# Allegro board arena_12-12_v5.brd (continued)
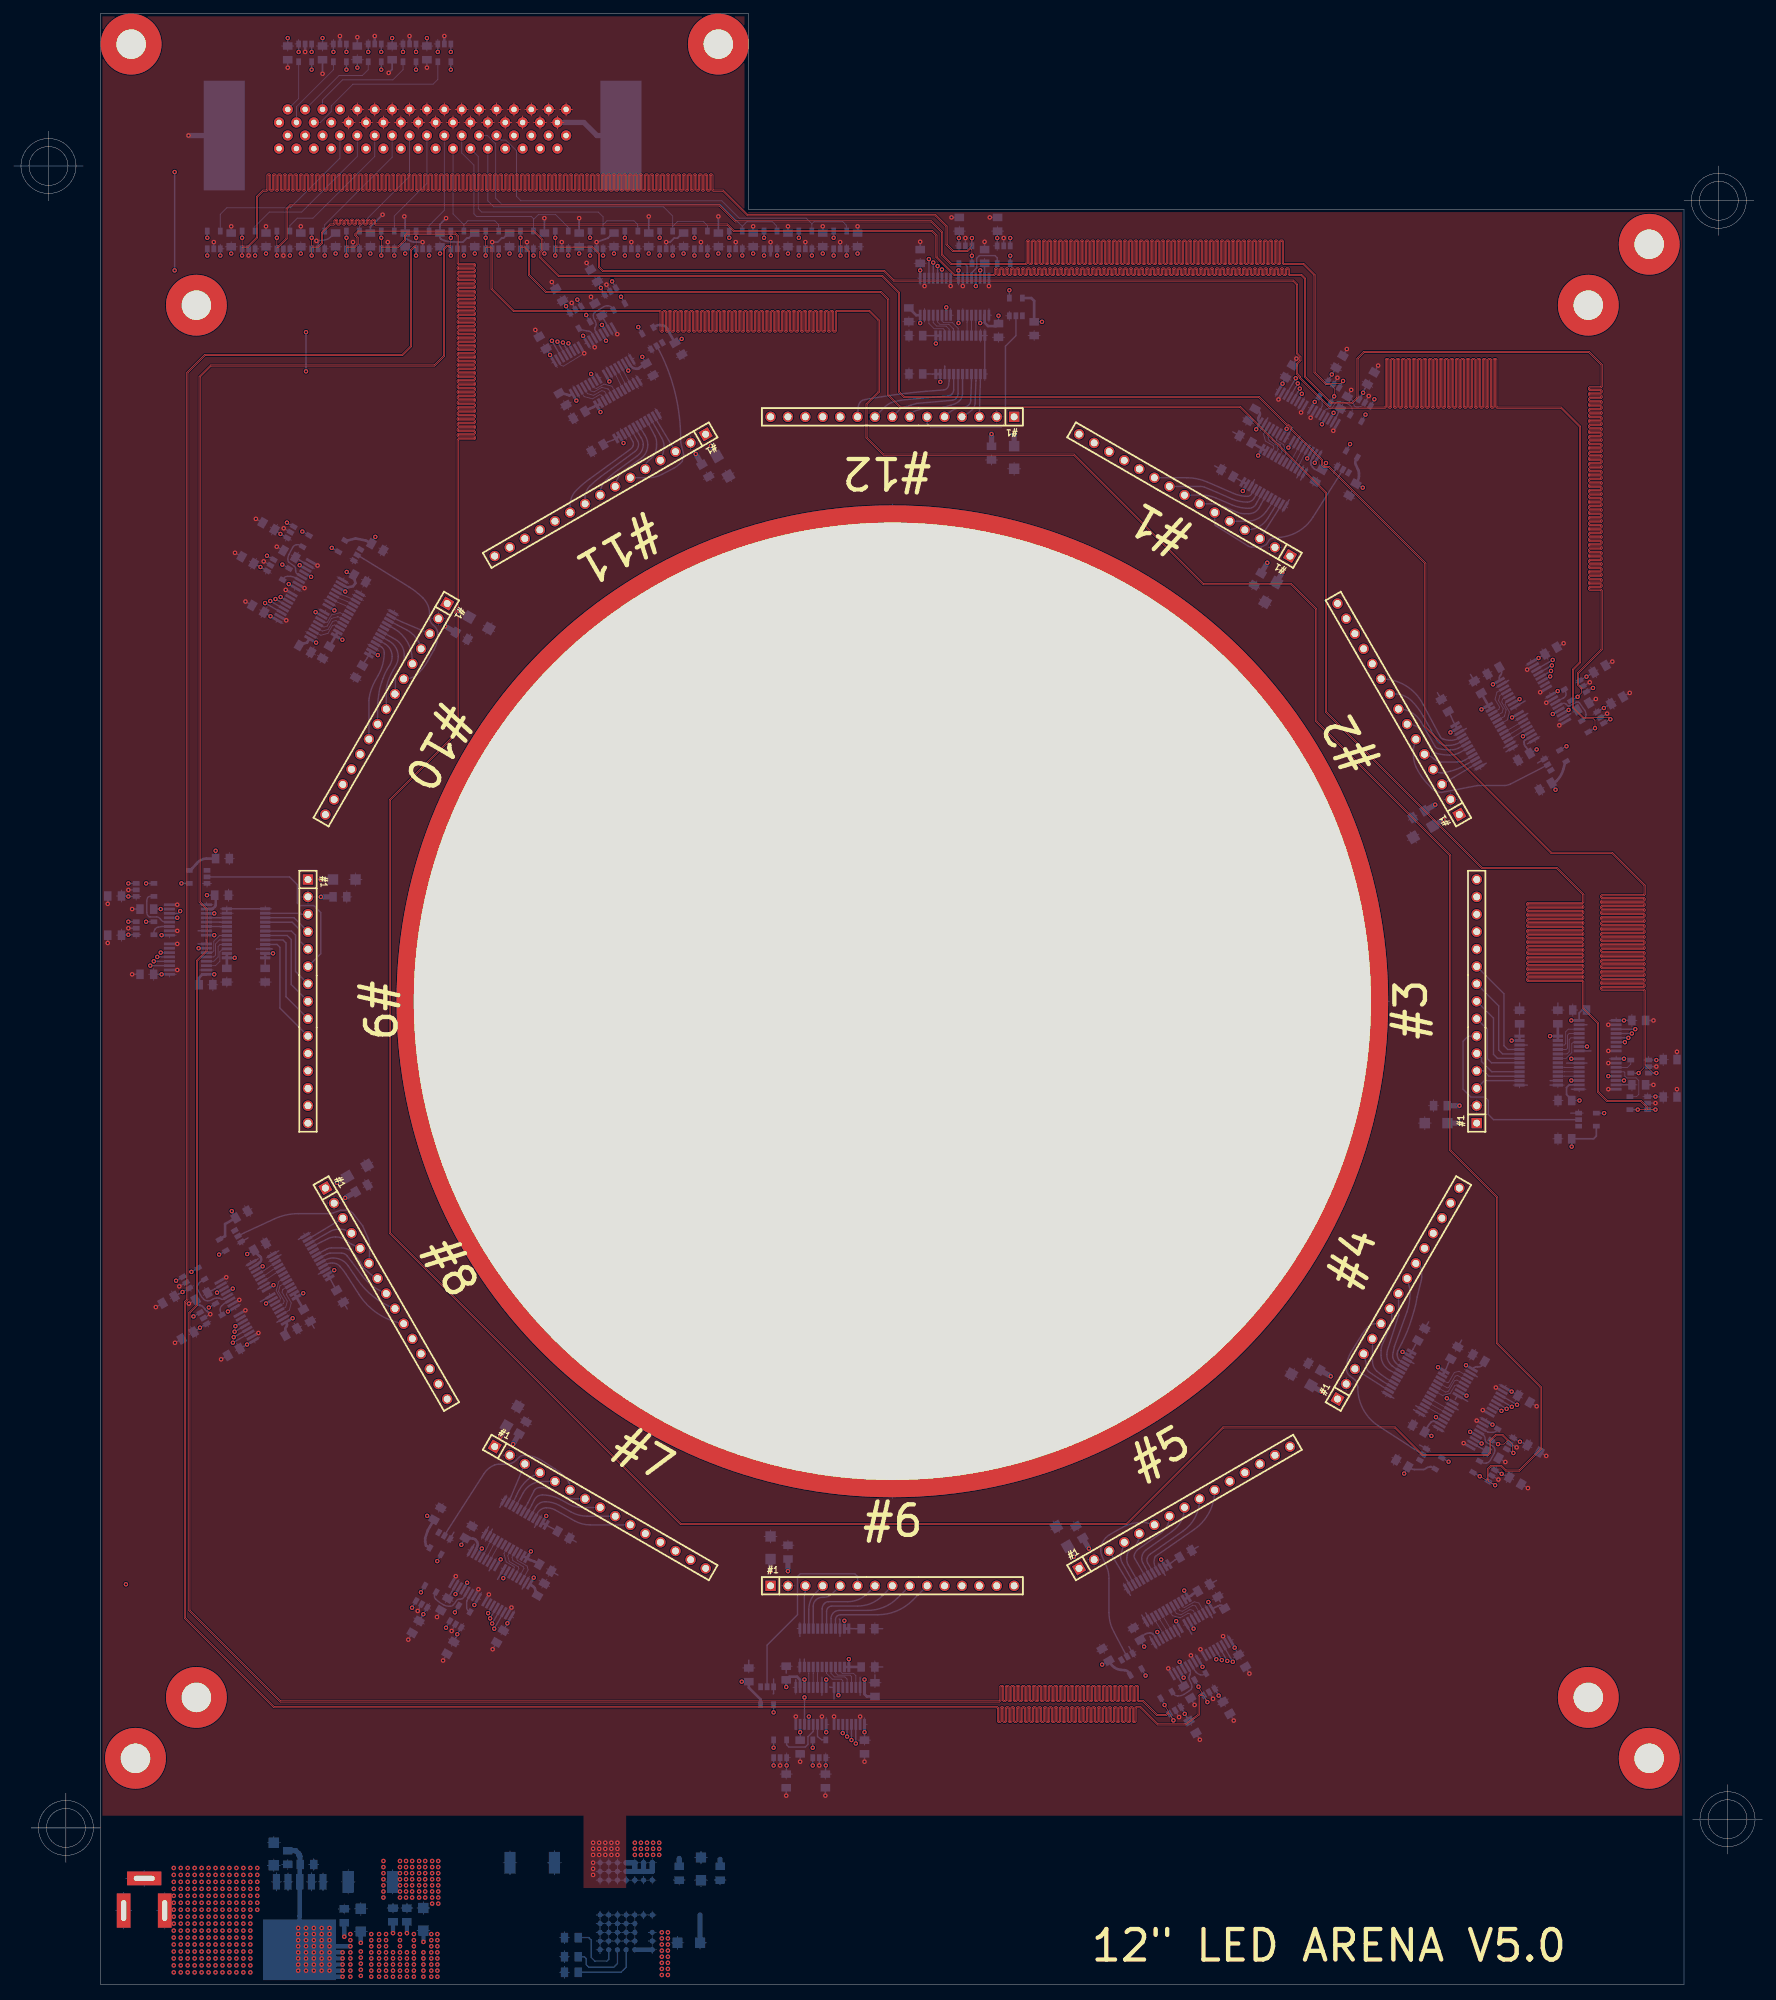
[diagram p0: board, top side]
## Routing (per net, layer and track width the routed paths; a pad name or vN(x,y) marks a point on that pad's centre or on a via; arc(x,y) is an arc through that point) (continued)
  LAYER 2 w0.381: v1(202.75,92.34) 200.9,93.41 ; v1(209.75,182.76) 207.9,181.69 ; v1(179.44,217.99) 178.07,216.35 ; v1(218.68,137.78) 216.55,137.78 ; v1(46.79,104.26) 48.64,105.33 ; v1(135.27,233.92) 135.27,231.79 ; 121.29,55.24 121.27,55.23 v1(121.27,53.1) ; v1(89.02,224.99) 90.09,223.14 ; v1(167.52,62.03) 166.45,63.88 ; v1(37.86,150.51) 39.99,150.51 ; v1(53.16,194.04) 55,192.97 ; v1(77.74,68.4) 78.81,70.24
  BOTTOM w0.127: J27.1 23.23,10.79 ; J27.1 22.05,13.48 ; J27.1 20.87,10.79 ; J27.1 22.05,8.11 ; 37.97,17.4 38.92,17.4 ; 37.97,17.4 37.03,17.4 ; 37.97,17.4 37.97,16.46 ; 37.97,17.4 37.97,18.34 ; 93.22,5.78 U130.K1 ; U130.K1 93.22,6.92 ; U130.K1 93.79,6.35 ; U130.K1 92.65,6.35 ; 39.12,17.54 C209.1 ; C209.1 40.01,16.81 ; C209.1 40.01,18.27 ; U101.1 39.07,14.99 ; U101.1 38.35,16.31 ; U101.1 38.35,13.66 ; U101.1 37.64,14.99 ; C39.1 97.84,6.1 ; C39.1 96.9,5.15 ; C39.1 96.9,7.04 ; C39.1 95.96,6.1 ; 93.22,4.51 U130.L1 ; U130.L1 93.22,5.65 ; U130.L1 93.79,5.08 ; U130.J1 93.79,7.62 ; U130.J1 93.22,7.05 ; U130.J1 92.65,7.62 ; U101.2 40.06,16.31 ; U101.2 40.77,14.99 ; U101.2 39.34,14.99 ; U101.2 40.06,13.66
  BOTTOM w0.203: U46.24 219.82,139.43 219.84,139.44 C138.1 ; 88.45,225.98 v1(89.02,224.99) ; U43.23 v1(135.27,233.92) ; 180.01,218.98 v1(179.44,217.99) ; U40.24 36.72,149.41 36.7,149.1 C136.1 ; U43.24 134.17,235.06 133.48,235.08 C150.1 ; U48.24 169.04,61.59 169.53,61.98 C140.1 ; U40.23 v1(37.86,150.51) ; U44.24 C144.1 ; C130.1 122.93,51.94 122.37,51.96 U37.24 ; 77.73,67.08 78.13,66.86 78.72,66.55 C128.1 ; 45.8,103.69 v1(46.79,104.26) ; C134.1 46.74,102 46.35,102.74 U39.24 ; U42.24 87.5,225.43 86.76,225.17 C142.1 ; 210.74,183.33 v1(209.75,182.76) ; C148.1 51.31,193.18 51.62,193.65 51.84,194.05 ; 203.74,91.77 v1(202.75,92.34) ; U37.23 v1(121.27,53.1) ; 168.09,61.04 v1(167.52,62.03) ; C132.1 204.6,93.33 204.29,92.73 U47.24 ; C146.1 209.8,185.15 210.19,184.28 U45.24 ; U38.23 v1(77.74,68.4) ; U46.23 v1(218.68,137.78) ; U41.23 v1(53.16,194.04)
  BOTTOM w0.381: 203.74,91.77 U47.24 ; U38.23 77.73,67.08 ; U40.24 U40.23 ; U37.23 U37.24 ; U42.24 88.45,225.98 ; 45.8,103.69 U39.24 ; 210.74,183.33 U45.24 ; 180.01,218.98 U44.24 ; 51.84,194.05 U41.23 ; U43.24 U43.23 ; 168.09,61.04 U48.24 ; U46.23 U46.24
  BOTTOM w0.635: U130.L3 U130.L1
  BOTTOM w0.762: C64.1 v1(207.51,172.2) ; C65.1 v1(110.49,60.32) ; C48.1 v1(156.96,63.63) ; 71.95,81.5 v1(71.06,79.96) ; C54.1 v1(142.75,226.3) ; 48.73,117.92 v1(47.2,117.03) ; C60.1 v1(48.39,114.82) ; C46.1 v1(44.85,158.75) ; C66.1 v1(211.06,128.27) ; 102.68,223.05 v1(101.79,224.58) ; C63.1 v1(190.93,86.55) ; C58.1 v1(72.91,78.87) ; 153.86,63.97 v1(154.75,62.44) ; C57.1 v1(185.23,206.17) ; C45.1 v1(44.83,161.29) ; 66.51,199.58 v1(64.98,200.47) ; C56.1 v1(63,198.24) ; C55.1 v1(146.05,226.31) ; C49.1 v1(211.07,125.73) ; C53.1 v1(208.71,169.99) ; C6.1 v1(99.58,223.39) ; C50.1 v1(192.27,88.78) ; C52.1 v1(183,207.51) ; C62.1 v1(113.03,60.34)
  vias: v1(23.37,17.02) v1(23.37,16) v1(23.37,14.99) v1(23.37,13.97) v1(23.37,12.95) v1(23.37,11.94) v1(23.37,10.92) v1(23.37,9.91) v1(23.37,8.89) v1(23.37,7.87) v1(23.37,6.86) v1(23.37,5.84) v1(23.37,4.83) v1(23.37,3.81) v1(23.37,2.79) v1(23.37,1.78) v1(24.38,17.02) v1(24.38,16) v1(24.38,14.99) v1(24.38,13.97) v1(24.38,12.95) v1(24.38,11.94) v1(24.38,10.92) v1(24.38,9.91) v1(24.38,8.89) v1(24.38,7.87) v1(24.38,6.86) v1(24.38,5.84) v1(24.38,4.83) v1(24.38,3.81) v1(24.38,2.79) v1(24.38,1.78) v1(25.4,17.02) v1(25.4,16) v1(25.4,14.99) v1(25.4,13.97) v1(25.4,12.95) v1(25.4,11.94) v1(25.4,10.92) v1(25.4,9.91) v1(25.4,8.89) v1(25.4,7.87) v1(25.4,6.86) v1(25.4,5.84) v1(25.4,4.83) v1(25.4,3.81) v1(25.4,2.79) v1(25.4,1.78) v1(26.42,17.02) v1(26.42,16) v1(26.42,14.99) v1(26.42,13.97) v1(26.42,12.95) v1(26.42,11.94) v1(26.42,10.92) v1(26.42,9.91) v1(26.42,8.89) v1(26.42,7.87) v1(26.42,6.86) v1(26.42,5.84) v1(26.42,4.83) v1(26.42,3.81) v1(26.42,2.79) v1(26.42,1.78) v1(27.43,17.02) v1(27.43,16) v1(27.43,14.99) v1(27.43,13.97) v1(27.43,12.95) v1(27.43,11.94) v1(27.43,10.92) v1(27.43,9.91) v1(27.43,8.89) v1(27.43,7.87) v1(27.43,6.86) v1(27.43,5.84) v1(27.43,4.83) v1(27.43,3.81) v1(27.43,2.79) v1(27.43,1.78) v1(28.45,17.02) v1(28.45,16) v1(28.45,14.99) v1(28.45,13.97) v1(28.45,12.95) v1(28.45,11.94) v1(28.45,10.92) v1(28.45,9.91) v1(28.45,8.89) v1(28.45,7.87) v1(28.45,6.86) v1(28.45,5.84) v1(28.45,4.83) v1(28.45,3.81) v1(28.45,2.79) v1(28.45,1.78) v1(29.46,17.02) v1(29.46,16) v1(29.46,14.99) v1(29.46,13.97) v1(29.46,12.95) v1(29.46,11.94) v1(29.46,10.92) v1(29.46,9.91) v1(29.46,8.89) v1(29.46,7.87) v1(29.46,6.86) v1(29.46,5.84) v1(29.46,4.83) v1(29.46,3.81) v1(29.46,2.79) v1(29.46,1.78) v1(30.48,17.02) v1(30.48,16) v1(30.48,14.99) v1(30.48,13.97) v1(30.48,12.95) v1(30.48,11.94) v1(30.48,10.92) v1(30.48,9.91) v1(30.48,8.89) v1(30.48,7.87) v1(30.48,6.86) v1(30.48,5.84) v1(30.48,4.83) v1(30.48,3.81) v1(30.48,2.79) v1(30.48,1.78) v1(31.5,17.02) v1(31.5,16) v1(31.5,14.99) v1(31.5,13.97) v1(31.5,12.95) v1(31.5,11.94) v1(31.5,10.92) v1(31.5,9.91) v1(31.5,8.89) v1(31.5,7.87) v1(31.5,6.86) v1(31.5,5.84) v1(31.5,4.83) v1(31.5,3.81) v1(31.5,2.79) v1(31.5,1.78) v1(32.51,17.02) v1(32.51,16) v1(32.51,14.99) v1(32.51,13.97) v1(32.51,12.95) v1(32.51,11.94) v1(32.51,10.92) v1(32.51,9.91) v1(32.51,8.89) v1(32.51,7.87) v1(32.51,6.86) v1(32.51,5.84) v1(32.51,4.83) v1(32.51,3.81) v1(32.51,2.79) v1(32.51,1.78) v1(33.53,17.02) v1(33.53,16) v1(33.53,14.99) v1(33.53,13.97) v1(33.53,12.95) v1(33.53,11.94) v1(33.53,10.92) v1(33.53,9.91) v1(33.53,8.89) v1(33.53,7.87) v1(33.53,6.86) v1(33.53,5.84) v1(33.53,4.83) v1(33.53,3.81) v1(33.53,2.79) v1(33.53,1.78) v1(34.54,17.02) v1(34.54,16) v1(34.54,14.99) v1(34.54,13.97) v1(34.54,12.95) v1(34.54,11.94) v1(34.54,10.92) v1(34.54,9.91) v1(34.54,8.89) v1(34.54,7.87) v1(34.54,6.86) v1(34.54,5.84) v1(34.54,4.83) v1(34.54,3.81) v1(34.54,2.79) v1(34.54,1.78) v1(35.56,17.02) v1(35.56,16) v1(35.56,14.99) v1(35.56,13.97) v1(35.56,12.95) v1(35.56,11.94) v1(35.56,10.92) v1(94.62,7.62) v1(94.62,6.73) v1(94.62,5.84) v1(94.62,4.95) v1(94.62,4.06) v1(94.62,3.17) v1(94.62,2.29) v1(94.62,1.4) v1(95.5,7.62) v1(95.5,6.73) v1(95.5,5.84) v1(95.5,4.95) v1(95.5,4.06) v1(95.5,3.17) v1(95.5,2.29) v1(95.5,1.4)
GND_3V: length 1053.4
  BOTTOM w0.127: J10.2 47.71,114.05 ; J10.2 46.77,115 ; J10.2 46.77,113.11 ; J10.2 45.83,114.05 ; U130.J4 89.41,8.19 ; U130.J4 89.41,7.05 ; U130.J4 89.98,7.62 ; U130.J4 88.84,7.62 ; C131.2 175.04,57.65 ; C131.2 175.23,58.78 ; C131.2 174.16,59.18 ; C131.2 173.97,58.05 ; 92.65,10.16 U130.G1 ; U130.G1 93.22,10.73 ; U130.G1 93.22,9.59 ; U130.G1 93.79,10.16 ; 201.19,76.94 C125.2 ; C125.2 202.27,77.34 ; C125.2 201.38,75.81 ; C125.2 202.46,76.21 ; 125.71,51.06 C130.2 ; C130.2 124.98,51.94 ; C130.2 125.71,52.82 ; 70.46,62.23 69.48,60.53 ; J8.2 157.73,62.95 ; J8.2 156.78,62.01 ; J8.2 158.67,62.01 ; J8.2 157.73,61.07 ; 213.58,127.33 J9.2 ; J9.2 212.64,128.27 ; J9.2 213.58,129.21 ; J9.2 214.52,128.27 ; 207.65,187.12 C146.2 ; C146.2 208.05,188.19 ; C146.2 208.78,186.92 ; C146.2 209.18,188 ; C55.2 146.99,221.23 ; C55.2 146.05,222.18 ; C55.2 145.11,221.23 ; C55.2 146.05,220.29 ; 36.9,106.06 37.7,106.52 ; 37.7,106.52 37.5,106.88 ; 37.7,106.52 38.51,106.99 ; 28.34,145.92 C94.2 ; C94.2 29.07,145.04 ; C94.2 29.07,146.8 ; C94.2 29.8,145.92 ; 218.97,178.33 C102.2 ; C102.2 220.24,179.06 ; C102.2 219.17,179.46 ; C102.2 220.05,177.93 ; C62.2 113.91,64.12 ; C62.2 113.03,64.85 ; C62.2 113.03,63.39 ; C62.2 112.15,64.12 ; C118.2 62.72,70.21 ; C118.2 63.11,69.13 ; C118.2 61.98,68.94 ; C118.2 61.58,70.02 ; C100.2 190.76,218.91 ; C100.2 189.24,219.79 ; C100.2 190.37,219.98 ; C100.2 189.63,218.72 ; 49.41,207.37 49.67,207.83 ; 49.67,207.83 49.09,208.16 ; 49.67,207.83 50.25,207.49 ; 37.22,105.49 38.83,106.42 ; 166.29,52.46 165.36,54.07 ; 80.41,3.18 C212.1 ; C212.1 79.67,4.06 ; C212.1 80.41,4.95 ; C212.1 81.14,4.06 ; 60.76,7.87 C207.2 58.87,7.87 ; C74.2 131.56,242.71 ; C74.2 130.68,243.44 ; C74.2 129.8,242.71 ; C74.2 130.68,241.98 ; 180.74,203.61 C52.2 ; C52.2 181.87,203.8 ; C52.2 180.35,204.68 ; C52.2 181.48,204.87 ; 185.71,89.56 C63.2 ; C63.2 186.06,88.28 ; C63.2 187,89.91 ; C63.2 187.35,88.62 ; C112.2 77.83,59.16 ; C112.2 76.7,58.97 ; C112.2 78.23,58.08 ; C112.2 77.1,57.89 ; C139.2 211.18,93.7 ; C139.2 211.58,92.63 ; C139.2 210.45,92.44 ; C139.2 210.05,93.51 ; 166.09,49.63 166.42,49.82 ; 166.42,49.82 165.93,50.67 ; 166.42,49.82 166.91,48.98 ; 53.3,194.71 51.69,195.64 ; 219.2,184.47 220.9,185.45 ; U42.13 94.43,229.43 ; U42.13 93.62,230.04 ; U42.13 94.55,228.42 ; 154.31,66.47 C48.2 ; C48.2 155.44,66.27 ; C48.2 155.84,67.35 ; C48.2 154.71,67.54 ; 218.96,142.22 C138.2 ; C138.2 219.84,141.49 ; C138.2 220.72,142.22 ; C211.1 81.14,1.78 ; C211.1 79.67,1.78 ; C211.1 80.41,0.9 ; C211.1 80.41,2.66 ; 141.12,239.74 U43.11 141.12,241.59 ; C98.2 126.61,44.05 ; C98.2 125.73,43.32 ; C98.2 124.85,44.05 ; 40.26,97.72 38.56,96.74 ; C149.2 78.91,61.1 ; C149.2 79.1,59.97 ; C149.2 77.83,60.7 ; C149.2 78.02,59.57 ; 30.62,159 C96.2 ; C96.2 32.09,159 ; C96.2 31.35,159.89 ; C96.2 31.35,158.12 ; 179.46,228.68 C68.2 ; C68.2 179.85,227.61 ; C68.2 180.99,227.8 ; C68.2 180.59,228.87 ; 49.73,7.75 C204.2 51.62,7.75 ; 81.63,233.34 82.61,231.65 ; 46.99,201.2 45.29,202.18 ; 138.56,242.67 138.56,244.63 ; U130.K3 90.68,6.92 ; U130.K3 90.68,5.78 ; U130.K3 90.11,6.35 ; 208.83,172.97 J3.2 ; J3.2 209.77,172.02 ; J3.2 210.71,172.97 ; J3.2 209.77,173.91 ; 229.51,130.68 U22.9 228.53,130.3 ; 42.97,193.68 C82.2 ; C82.2 42.78,194.81 ; C82.2 44.04,194.08 ; C82.2 43.85,195.21 ; C136.2 36.7,147.05 ; C136.2 37.58,146.32 ; C136.2 35.82,146.32 ; C136.2 36.7,145.59 ; C78.2 42.01,96.12 ; C78.2 40.94,96.51 ; C78.2 41.82,94.99 ; C78.2 40.75,95.38 ; 86.87,7.05 U130.J6 ; U130.J6 86.3,7.62 ; U130.J6 86.87,8.19 ; U130.J6 87.44,7.62 ; 80.41,5.98 R63.1 ; R63.1 79.67,6.86 ; R63.1 80.41,7.74 ; R63.1 81.14,6.86 ; 224.54,142.22 C127.2 ; C127.2 226.31,142.22 ; C127.2 225.43,141.49 ; C46.2 49.36,158.75 ; C46.2 48.63,157.87 ; C46.2 47.89,158.75 ; C46.2 48.63,159.63 ; 47.76,100.22 C134.2 ; C134.2 47.36,99.15 ; C134.2 48.49,98.96 ; C134.2 48.89,100.03 ; 63.36,64.45 U26.3 ; U26.3 64.04,65.62 ; U26.3 64.16,64.77 ; 28.22,160.2 U28.3 ; U28.3 28.9,160.72 ; U28.3 27.54,160.72 ; 46.28,104.72 U39.22 44.67,103.79 ; 19.05,14.31 J27.3 ; J27.3 16.37,15.49 ; J27.3 19.05,16.68 ; 55.7,143.51 M9.1 ; M9.1 200.84,143.51 ; M9.1 128.27,216.08 ; M9.1 128.27,70.94 ; 217.71,180.6 219.32,181.53 ; C66.2 207.28,129.15 ; C66.2 206.55,128.27 ; C66.2 208.01,128.27 ; C66.2 207.28,127.39 ; 182.22,200.95 C57.2 ; C57.2 183.5,201.3 ; C57.2 183.16,202.59 ; C57.2 181.87,202.24 ; 222.15,174.01 C115.2 ; C115.2 223.22,173.61 ; C115.2 222.34,175.14 ; C115.2 223.41,174.74 ; U130.K4 89.98,6.35 ; U130.K4 89.41,5.78 ; U130.K4 88.84,6.35 ; U130.K4 89.41,6.92 ; 66.18,62.44 66.67,63.29 ; 66.67,63.29 66.33,63.48 ; 66.67,63.29 67.16,64.13 ; 132.97,242.67 U7.15 132.97,244.63 ; 210.74,83.95 209.04,84.94 ; C145.2 82.12,227.84 ; C145.2 81.05,228.24 ; C145.2 81.24,229.37 ; C145.2 82.32,228.97 ; 188.34,221.71 187.41,220.1 ; U130.L7 86.17,5.08 ; U130.L7 85.6,4.51 ; U130.L7 85.6,5.65 ; U130.L7 85.03,5.08 ; U130.K5 88.14,6.92 ; U130.K5 88.71,6.35 ; U130.K5 87.57,6.35 ; U130.K5 88.14,5.78 ; C141.2 130.7,241.55 ; C141.2 129.97,240.66 ; C141.2 131.43,240.66 ; C141.2 130.7,239.78 ; 73.12,83.55 73.6,84.36 ; 73.6,84.36 74.07,85.18 ; 73.6,84.36 72.78,84.83 ; 73.6,84.36 74.41,83.89 ; 142.18,235.06 U43.13 141.77,234.13 ; 182.02,226.82 183,228.52 ; 66.56,66.27 C80.2 ; C80.2 66.16,67.35 ; C80.2 67.69,66.46 ; C80.2 67.29,67.54 ; 169.23,52.58 170.21,50.88 ; 14.87,10.79 J27.2 ; J27.2 16.05,8.11 ; J27.2 16.05,13.48 ; J27.2 17.23,10.79 ; 212.56,91.18 C106.2 ; C106.2 213.44,92.7 ; C106.2 213.63,91.57 ; C106.2 212.37,92.31 ; 114.36,51.96 U37.13 114.77,52.89 ; 44.32,196.5 42.63,197.48 ; 92.97,235.48 C92.2 ; C92.2 92.57,234.41 ; C92.2 94.1,235.29 ; C92.2 93.7,234.21 ; 205.05,125.73 C49.2 ; C49.2 205.99,124.79 ; C49.2 205.99,126.67 ; C49.2 206.94,125.73 ; U130.G6 86.87,10.73 ; U130.G6 86.87,9.59 ; U130.G6 87.44,10.16 ; U130.G6 86.3,10.16 ; 100.2,5.15 C39.2 101.15,6.1 ; 218.89,131.28 U46.13 219.82,130.87 ; 30.19,156.36 U40.11 32.04,156.36 ; 142.57,228.82 J19.2 ; J19.2 143.51,229.76 ; J19.2 143.51,227.88 ; J19.2 144.45,228.82 ; 158.52,49.63 C126.2 ; C126.2 159.25,48.37 ; C126.2 159.65,49.44 ; C126.2 158.12,48.56 ; C60.2 52.3,117.07 ; C60.2 51.03,116.34 ; C60.2 52.11,115.94 ; C60.2 51.23,117.47 ; 90.68,8.32 U130.H3 ; U130.H3 90.11,8.89 ; U130.H3 90.68,9.46 ; 173.93,55.37 174.91,53.68 ; J6.2 99.76,225.01 ; J6.2 97.87,225.01 ; J6.2 98.81,224.07 ; J6.2 98.81,225.95 ; 83.72,223.42 C142.2 ; C142.2 84.98,224.15 ; C142.2 83.91,224.55 ; C142.2 84.79,223.02 ; C129.2 43.67,96.16 ; C129.2 44.06,97.24 ; C129.2 42.53,96.36 ; C129.2 42.93,97.43 ; 85.6,5.78 U130.K7 ; U130.K7 85.03,6.35 ; U130.K7 85.6,6.92 ; U130.K7 86.17,6.35 ; C137.2 214.01,190.66 ; C137.2 212.48,189.78 ; C137.2 213.61,189.59 ; C137.2 212.87,190.86 ; 214.53,190.9 C104.2 ; C104.2 214.72,192.03 ; C104.2 215.79,191.64 ; C104.2 215.6,190.51 ; 101.1,220.75 C6.2 ; C6.2 100.7,219.67 ; C6.2 101.83,219.48 ; C6.2 102.23,220.55 ; 171.61,51.77 171.12,52.62 170.79,52.43 ; 205.14,82.99 205.34,83.34 ; 205.34,83.34 206.14,82.88 ; 205.34,83.34 204.53,83.81 ; 74.43,81.51 C58.2 ; C58.2 75.16,82.78 ; C58.2 75.56,81.7 ; C58.2 74.03,82.59 ; C116.2 195.72,216.88 ; C116.2 195.32,217.95 ; C116.2 194.59,216.69 ; C116.2 194.19,217.76 ; C76.2 37.44,108.56 ; C76.2 36.17,107.83 ; C76.2 37.25,107.43 ; C76.2 36.37,108.96 ; C54.2 143.63,222.52 ; C54.2 142.75,223.25 ; C54.2 142.75,221.79 ; C54.2 141.87,222.52 ; 42.96,157.81 J5.2 ; J5.2 42.96,159.69 ; J5.2 43.9,158.75 ; J5.2 42.02,158.75 ; C86.2 228.33,142.24 ; C86.2 227.6,143.12 ; C86.2 227.6,141.36 ; 107.32,45.48 C124.2 ; C124.2 108.2,46.21 ; C124.2 106.43,46.21 ; 125.71,45.47 C147.2 ; C147.2 125.71,47.24 ; C147.2 124.98,46.35 ; U35.3 206.82,77.84 ; U35.3 205.65,78.52 ; U35.3 206.5,78.63 ; 207.99,81.15 208.83,80.66 ; 207.99,81.15 207.14,81.64 ; 207.99,81.15 207.79,80.81 ; C132.2 206.35,96.37 ; C132.2 205.22,96.18 ; C132.2 205.62,95.1 ; C132.2 206.75,95.29 ; 62.01,198.42 J17.2 ; J17.2 62.95,199.36 ; J17.2 61.07,199.36 ; J17.2 62.01,200.3 ; C144.2 176.93,220.73 ; C144.2 176.74,221.86 ; C144.2 175.86,220.33 ; C144.2 175.67,221.47 ; 186.72,224.15 187.7,225.85 ; 37.03,20.7 C203.2 ; C203.2 37.97,21.64 ; C203.2 38.92,20.7 ; 42.35,109.67 U39.13 ; U39.13 41.74,108.86 ; U39.13 43.36,109.79 ; 71.16,60.81 U2.9 71,59.77 ; U19.9 142.75,243.65 ; U19.9 142.37,242.67 ; U19.9 142.37,244.63 ; 89.75,238.04 90.24,237.2 ; 90.24,237.2 90.58,237.39 ; 90.24,237.2 90.73,236.35 ; 175.41,57.25 C108.2 ; C108.2 176.54,57.06 ; C108.2 175.01,56.18 ; C108.2 176.14,55.99 ; 144.83,243.56 U31.3 ; U31.3 145.35,242.88 ; U31.3 145.35,244.24 ; U130.G7 86.17,10.16 ; U130.G7 85.03,10.16 ; U130.G7 85.6,10.73 ; U130.G7 85.6,9.59 ; C128.2 81.76,64.79 ; C128.2 80.5,65.52 ; C128.2 80.69,64.39 ; C128.2 81.57,65.92 ; 104.33,220.18 105.15,220.65 ; 104.33,220.18 103.86,221 ; 104.33,220.18 103.52,219.72 ; 104.33,220.18 104.8,219.37 ; 213.18,177.23 U45.13 ; U45.13 214.8,178.16 ; U45.13 214.19,177.35 ; 192.88,221.02 193.22,221.6 ; 193.22,221.6 193.56,222.19 ; 193.22,221.6 192.77,221.87 ; 113.03,57.26 J4.2 ; J4.2 113.97,58.2 ; J4.2 113.03,59.14 ; J4.2 112.09,58.2 ; 27.15,157.61 U16.9 ; U16.9 28.13,157.99 ; U16.9 29.11,157.61 ; 161.99,58.6 U48.13 ; U48.13 162.11,57.59 ; U48.13 162.92,56.98 ; 151.39,66.37 152.21,66.84 ; 152.21,66.84 151.74,67.65 ; 152.21,66.84 153.02,67.3 ; 152.21,66.84 152.68,66.02 ; C140.2 172.37,62.6 ; C140.2 171.3,63 ; C140.2 172.57,63.73 ; C140.2 171.5,64.13 ; 47.2,205.48 48.05,204.99 ; 48.05,204.99 48.9,204.5 ; 48.05,204.99 48.24,205.32 ; 76.14,66.93 77.07,68.54 ; 229.12,127.19 U34.3 228.45,127.71 ; 136.78,244.63 U7.9 137.17,243.65 ; 49.55,190.14 C148.2 ; C148.2 50.28,191.41 ; C148.2 49.15,191.22 ; C148.2 50.68,190.33 ; 44.33,194.01 C135.2 ; C135.2 44.73,192.94 ; C135.2 45.46,194.2 ; C135.2 45.86,193.13 ; U130.H7 86.17,8.89 ; U130.H7 85.6,9.46 ; U130.H7 85.03,8.89 ; U130.H7 85.6,8.32 ; 211.63,85.48 210.78,85.97 210.59,85.64 ; 203.61,82.02 C84.2 ; C84.2 204.87,81.29 ; C84.2 203.8,80.89 ; C84.2 204.68,82.42 ; 188.44,220.58 188.79,220.38 ; 188.44,220.58 188.9,221.38 ; 188.44,220.58 187.97,219.77 ; 69.38,197.93 70.19,197.46 ; 69.38,197.93 69.85,198.74 ; 69.38,197.93 68.56,198.4 ; 69.38,197.93 68.9,197.11 ; 199.68,86.61 U47.13 ; U47.13 201.3,85.68 ; U47.13 200.29,85.79 ; 87.43,234.44 86.45,236.14 ; 88.14,7.05 U130.J5 ; U130.J5 87.57,7.62 ; U130.J5 88.14,8.19 ; U130.J5 88.71,7.62 ; C150.2 131.43,235.08 ; C150.2 129.97,235.08 ; C150.2 130.7,235.96 ; C150.2 130.7,234.2 ; 110.49,64.46 C65.2 ; C65.2 111.43,65.4 ; C65.2 110.49,66.35 ; C65.2 109.55,65.4 ; 218.03,180.03 218.84,180.5 ; 218.84,180.5 219.04,180.14 ; 218.84,180.5 219.64,180.96 ; U41.12 51.37,202.58 ; U41.12 50.77,203.4 ; U41.12 49.76,203.51 ; 36.72,157.42 U40.13 37.65,157.01 ; 142.88,240.43 C90.2 ; C90.2 143.76,239.69 ; C90.2 143.76,241.16 ; C90.2 144.65,240.43 ; 30.75,164.34 C121.2 ; C121.2 31.48,163.46 ; C121.2 32.21,164.34 ; C121.2 31.48,165.22 ; 178.33,226.42 C143.2 ; C143.2 179.6,225.69 ; C143.2 178.52,225.29 ; C143.2 179.41,226.82 ; C120.2 34.77,113.26 ; C120.2 34.58,112.13 ; C120.2 33.7,113.66 ; C120.2 33.51,112.53 ; 186.14,225.57 185.81,225.77 186.3,226.61 ; C123.2 225.44,124.33 ; C123.2 226.17,123.44 ; C123.2 225.44,122.56 ; C123.2 224.71,123.44 ; 65.64,196.72 C56.2 ; C56.2 66.9,195.98 ; C56.2 65.83,195.59 ; C56.2 66.71,197.11 ; 203.49,166.98 C53.2 ; C53.2 205.13,167.92 ; C53.2 203.84,168.26 ; C53.2 204.78,166.63 ; 90.68,7.05 U130.J3 ; U130.J3 90.11,7.62 ; U130.J3 90.68,8.19 ; 90.11,10.16 U130.G3 ; U130.G3 90.68,9.59 ; U130.G3 90.68,10.73 ; U130.G3 91.25,10.16 ; 211.84,89.76 213.53,88.78 ; 33.86,104.87 U15.9 ; U15.9 35.56,105.85 ; U15.9 34.52,105.69 ; 49.44,202.94 51.05,202.01 ; 142.18,240.66 U43.12 141.77,241.59 ; U130.G2 91.95,10.73 ; U130.G2 91.38,10.16 ; U130.G2 92.52,10.16 ; U130.G2 91.95,9.59 ; 211.87,183.23 U45.22 210.26,182.3 ; C119.2 97.89,237.26 ; C119.2 98.29,238.33 ; C119.2 97.16,238.53 ; C119.2 96.76,237.45 ; 184.12,208.83 J7.2 ; J7.2 183.18,209.77 ; J7.2 184.12,210.71 ; J7.2 185.06,209.77 ; 71.48,77.25 J1.2 ; J1.2 73.36,77.25 ; J1.2 72.42,78.19 ; 85.03,7.62 U130.J7 ; U130.J7 86.17,7.62 ; U130.J7 85.6,7.05 ; U130.J7 85.6,8.19 ; J2.2 195.47,87.66 ; J2.2 193.59,87.66 ; J2.2 194.53,88.6 ; J2.2 194.53,86.72 ; C72.2 52.04,204.37 ; C72.2 50.78,205.1 ; C72.2 51.85,205.5 ; C72.2 50.97,203.97 ; 71.19,70.86 71.54,70.66 ; 71.54,70.66 72,71.46 ; 71.54,70.66 71.07,69.85 ; 31.12,157.42 U40.12 30.19,157.01 ; 71.45,17.78 L2.2 ; L2.2 72.45,19.55 ; L2.2 73.46,17.78 ; L2.2 72.45,16.01 ; 223.45,178.86 224.03,179.2 ; 223.45,178.86 222.86,178.53 ; 223.45,178.86 223.18,179.32 ; 225.44,128.15 C70.2 ; C70.2 225.44,129.91 ; C70.2 224.71,129.03 ; C70.2 226.17,129.03 ; 30.23,146.32 C133.2 ; C133.2 31.12,147.05 ; C133.2 31.12,145.59 ; C133.2 32,146.32 ; 148.09,240.68 C117.2 ; C117.2 148.97,241.41 ; C117.2 148.97,239.95 ; C117.2 149.85,240.68 ; U130.H4 89.98,8.89 ; U130.H4 89.41,8.32 ; U130.H4 88.84,8.89 ; U130.H4 89.41,9.46 ; U130.G4 89.41,10.73 ; U130.G4 89.98,10.16 ; U130.G4 89.41,9.59 ; U130.G4 88.84,10.16 ; 88.14,8.32 U130.H5 ; U130.H5 87.57,8.89 ; U130.H5 88.14,9.46 ; U130.H5 88.71,8.89 ; 55.42,200.24 56.22,199.78 ; 55.42,200.24 55.62,200.59 ; 55.42,200.24 54.61,200.71 ; 45.57,200.62 U5.9 44.53,200.78 ; 113.66,46.47 C114.2 111.89,46.47 ; 92.59,238.42 93.04,238.69 ; 93.04,238.69 93.38,238.1 ; 93.04,238.69 92.7,239.27 ; 185.17,214.92 U44.13 ; U44.13 186.1,216.53 ; U44.13 185.99,215.53 ; 32.64,108.07 U27.3 ; U27.3 33.48,107.96 ; U27.3 33.8,108.75 ; 163.37,48.33 163.82,48.6 ; 163.37,48.33 163.03,48.92 ; 163.37,48.33 163.71,47.75 ; 48.97,161.29 C45.2 ; C45.2 49.91,162.23 ; C45.2 50.85,161.29 ; C45.2 49.91,160.35 ; C122.2 54.58,208.94 ; C122.2 53.51,208.54 ; C122.2 53.32,209.67 ; C122.2 54.39,210.07 ; 68.38,66.01 U38.12 ; U38.12 68.27,65 ; U38.12 69.2,66.61 ; 69.77,66.29 68.84,64.68 ; 88.14,9.59 U130.G5 ; U130.G5 88.14,10.73 ; U130.G5 88.71,10.16 ; U130.G5 87.57,10.16 ; C110.2 164.22,52.49 ; C110.2 163.09,52.68 ; C110.2 162.69,51.61 ; C110.2 163.82,51.41 ; C64.2 204.87,170.68 ; C64.2 204.68,169.55 ; C64.2 203.61,169.95 ; C64.2 203.8,171.08 ; C50.2 189.44,91.43 ; C50.2 188.56,89.91 ; C50.2 189.63,90.3 ; C50.2 188.37,91.04 ; 114.17,42.39 U13.9 113.79,43.37 ; 114.36,46.35 U37.12 114.77,45.43 ; 37.47,102.55 35.77,101.57 ; 89.48,225.5 U42.22 88.55,227.11 ; 167.99,59.91 U48.22 167.06,61.52 ; 86.87,5.78 U130.K6 ; U130.K6 86.3,6.35 ; U130.K6 86.87,6.92 ; U130.K6 87.44,6.35 ; 51.6,119.57 52.41,120.04 ; 51.6,119.57 52.06,118.76 ; 51.6,119.57 50.78,119.1 ; 51.6,119.57 51.13,120.39 ; 36.66,100.04 U3.9 37.31,100.87 ; 190.51,223.1 191,223.95 ; 190.51,223.1 190.02,222.25 ; 190.51,223.1 190.84,222.91 ; 206.47,83.44 204.86,84.37 ; 91.18,232.95 90.25,234.56 ; 218.1,190.28 216.41,189.3 ; C88.2 81.4,230.97 ; C88.2 79.87,230.09 ; C88.2 81,229.9 ; C88.2 80.27,231.16 ; 164.79,53.75 165.26,52.94 ; 165.26,52.94 164.9,52.74 ; 165.26,52.94 165.72,52.14 ; 225.43,130.87 U46.12 226.35,131.28 ; 221.11,181.17 221.96,181.66 ; 221.96,181.66 222.8,182.15 ; 221.96,181.66 222.15,181.33 ; 84.93,235.25 85.42,234.4 85.75,234.59 ; 29.11,148.08 U4.15 27.15,148.08 ; 75.28,59.56 74.3,57.87 ; 219.35,186.15 219.16,186.49 220.01,186.98 ; 86.87,8.32 U130.H6 ; U130.H6 86.3,8.89 ; U130.H6 86.87,9.46 ; U130.H6 87.44,8.89 ; 91.28,234.08 91.64,234.28 ; 91.28,234.08 90.82,234.88 ; 91.28,234.08 91.75,233.27
  BOTTOM w0.203: 218.51,181.06 217.52,180.49 ; 38.03,105.96 39.02,106.53 ; C86.2 227.22,142.24 ; 223.45,178.86 222.46,178.29 ; 193.22,221.6 192.65,220.61 ; C128.2 82.12,64.59 ; U43.13 U43.12 U43.11 ; U38.12 69.31,66.8 ; 226.69,134.49 U22.15 229.68,134.49 ; C127.2 225.43,143.26 ; C144.2 175.31,221.67 ; 76.6,67.73 76.03,66.74 ; U39.13 41.56,108.75 ; 169.72,51.73 170.29,50.74 ; 123.57,44.83 U1.15 123.57,42.23 ; 117.98,42.23 117.98,44.83 ; C143.2 177.98,226.62 ; 119.13,43.43 119.19,43.37 U1.9 119.76,41.66 ; C134.2 48.7,98.6 ; U47.13 201.48,85.57 ; 205.66,83.91 204.67,84.48 ; U37.12 114.77,47.5 ; C131.2 175.59,58.98 ; 69.3,65.48 69.87,66.47 ; 37.7,106.52 38.69,107.09 ; 28.07,152.53 28.13,152.46 U4.9 26.92,151.89 ; C129.2 43.87,95.81 ; U13.9 114.17,44.52 ; 120.62,50.83 U37.22 120.62,53.24 120.52,53.34 ; U46.13 220.97,131.28 ; U10.9 230.25,136.27 ; U26.3 64.27,66.03 ; U40.13 U40.12 U40.11 ; 110.93,44.6 U25.3 110.93,42.48 110.87,42.42 ; U2.9 70.63,59.13 ; 188.44,220.58 187.87,219.59 ; U44.13 186.21,216.72 ; 36.62,102.06 35.63,101.49 ; 37.72,151.13 37.69,151.16 U40.22 35.46,151.16 35.43,151.13 ; 182.51,227.67 183.08,228.66 ; 69.97,61.38 69.4,60.39 ; U46.22 220.97,137.13 ; C132.2 206.56,96.73 ; 218.84,180.5 217.85,179.93 ; U45.13 214.98,178.27 ; U27.3 34.21,108.98 ; U46.11 224.28,131.93 ; U43.22 135.92,236.19 135.89,236.22 ; U34.3 227.3,127.19 ; 174.42,54.52 174.99,53.53 ; U45.22 212.05,183.33 ; 71.54,70.66 70.97,69.66 ; 165.82,53.27 165.25,54.26 ; C137.2 212.67,191.21 ; 112.78,46.59 C114.2 112.78,45.45 ; C140.2 172.93,63.94 ; 165.26,52.94 164.69,53.93 ; U48.22 168.09,59.73 ; 212.27,85.11 210.78,85.97 210.45,85.4 ; 209.89,84.44 210.88,83.87 ; U46.12 224.28,131.28 ; U10.15 229.68,140.08 ; 185.81,225.77 186.67,227.25 ; 28.13,153.8 26.92,153.8 ; 220.05,184.96 221.04,185.53 ; 166.42,49.82 165.85,50.82 ; 217.26,189.79 218.25,190.36 ; 39.41,97.23 38.42,96.66 ; C139.2 211.38,94.06 ; 219.16,186.49 220.65,187.35 ; 180.57,218.65 181.14,219.64 ; 187.87,220.9 187.3,219.91 ; 176.16,55.86 175.59,56.85 ; C124.2 107.32,47.36 ; 205.34,83.34 204.35,83.91 ; U39.22 44.49,103.69 ; U15.9 35.7,105.93 ; 212.68,89.27 213.67,88.7 ; 171.12,52.62 171.98,51.13 ; 163.37,48.33 162.8,49.32 ; 187.21,225 187.78,225.99 ; 203.41,91.21 204.4,90.64 ; U48.13 163.03,56.8 ; C146.2 207.84,188.55 ; C147.2 126.86,46.35 ; 74.79,58.71 74.22,57.72 ; U37.13 114.77,50.83 ; C98.2 125.73,45.2 ; U37.11 115.42,47.5 ; 66.67,63.29 67.24,64.28 ; C130.2 126.86,51.94 ; 221.96,181.66 220.96,181.09 ; U22.9 227.39,130.68 ; U35.3 205.24,78.75 ; 190.51,223.1 v1(189.94,222.11) ; C138.2 219.84,143.26 ; U3.9 36.02,99.67 ; C149.2 79.45,59.76
  BOTTOM w0.635: v1(48.01,4.7) v1(46.1,4.7) ; v1(48.01,3.81) v1(46.1,3.81) ; U101.6 42.24,5.59 v1(42.67,5.59) v1(43.82,5.59) v1(44.96,5.59) v1(46.1,5.59) v1(49.15,5.59) ; U101.6 45.67,1.14 v1(48.01,1.14) ; U101.6 41.73,9.97 41.76,10 U101.3 41.76,17.49 C205.2 ; v1(48.01,2.92) v1(46.1,2.92) ; C204.2 v1(50.67,6.1) ; v1(48.01,2.03) v1(46.1,2.03) ; C210.2 v1(57.4,7.51) ; C206.2 v1(48.26,6.98) ; C208.2 v1(55.37,7.51) ; C207.2 v1(59.82,6.22)
  BOTTOM w0.762: C205.2 41.8,18.74 41.66,18.88 41.66,19.05 41.16,19.54 C209.2 ; C39.2 100.2,10.16
  vias: v1(41.53,8.25) v1(41.53,7.37) v1(41.53,6.48) v1(41.53,5.59) v1(41.53,4.7) v1(41.53,3.81) v1(41.53,2.92) v1(41.53,2.03) v1(42.67,8.25) v1(42.67,7.37) v1(42.67,6.48) v1(42.67,4.7) v1(42.67,3.81) v1(42.67,2.92) v1(42.67,2.03) v1(43.82,8.25) v1(43.82,7.37) v1(43.82,6.48) v1(43.82,4.7) v1(43.82,3.81) v1(43.82,2.92) v1(43.82,2.03) v1(44.96,8.25) v1(44.96,7.37) v1(44.96,6.48) v1(44.96,4.7) v1(44.96,3.81) v1(44.96,2.92) v1(44.96,2.03) v1(46.1,8.25) v1(46.1,7.37) v1(46.1,6.48) v1(49.15,7.37) v1(49.15,6.48) v1(49.15,4.7) v1(49.15,3.81) v1(49.15,2.92) v1(49.15,2.03) v1(49.15,1.14) v1(50.67,4.83) v1(50.67,3.94) v1(50.67,3.05) v1(50.67,2.16) v1(50.67,1.27) v1(52.2,7.37) v1(52.2,6.48) v1(52.2,5.59) v1(52.2,4.7) v1(52.2,3.81) v1(52.2,2.92) v1(52.2,2.03) v1(52.2,1.14) v1(53.34,7.37) v1(53.34,6.48) v1(53.34,5.59) v1(53.34,4.7) v1(53.34,3.81) v1(53.34,2.92) v1(53.34,2.03) v1(53.34,1.14) v1(54.36,7.37) v1(54.36,6.48) v1(54.36,5.59) v1(54.36,4.7) v1(54.36,3.81) v1(54.36,2.92) v1(54.36,2.03) v1(54.36,1.14) v1(55.37,4.7) v1(55.37,3.81) v1(55.37,2.92) v1(55.37,2.03) v1(55.37,1.14) v1(56.39,7.37) v1(56.39,6.48) v1(56.39,5.59) v1(56.39,4.7) v1(56.39,3.81) v1(56.39,2.92) v1(56.39,2.03) v1(56.39,1.14) v1(57.4,4.7) v1(57.4,3.81) v1(57.4,2.92) v1(57.4,2.03) v1(57.4,1.14) v1(58.42,7.37) v1(58.42,6.48) v1(58.42,5.59) v1(58.42,4.7) v1(58.42,3.81) v1(58.42,2.92) v1(58.42,2.03) v1(58.42,1.14) v1(59.82,4.7) v1(59.82,3.81) v1(59.82,2.92) v1(59.82,2.03) v1(59.82,1.14) v1(60.96,7.37) v1(60.96,6.48) v1(60.96,5.59) v1(60.96,4.7) v1(60.96,3.81) v1(60.96,2.92) v1(60.96,2.03) v1(60.96,1.14) v1(61.85,7.37) v1(61.85,6.48) v1(61.85,5.59) v1(61.85,4.7) v1(61.85,3.81) v1(61.85,2.92) v1(61.85,2.03) v1(61.85,1.14)
